# Altium PCB DIOT_Template.PcbDoc (part 2 of 3) (continued)
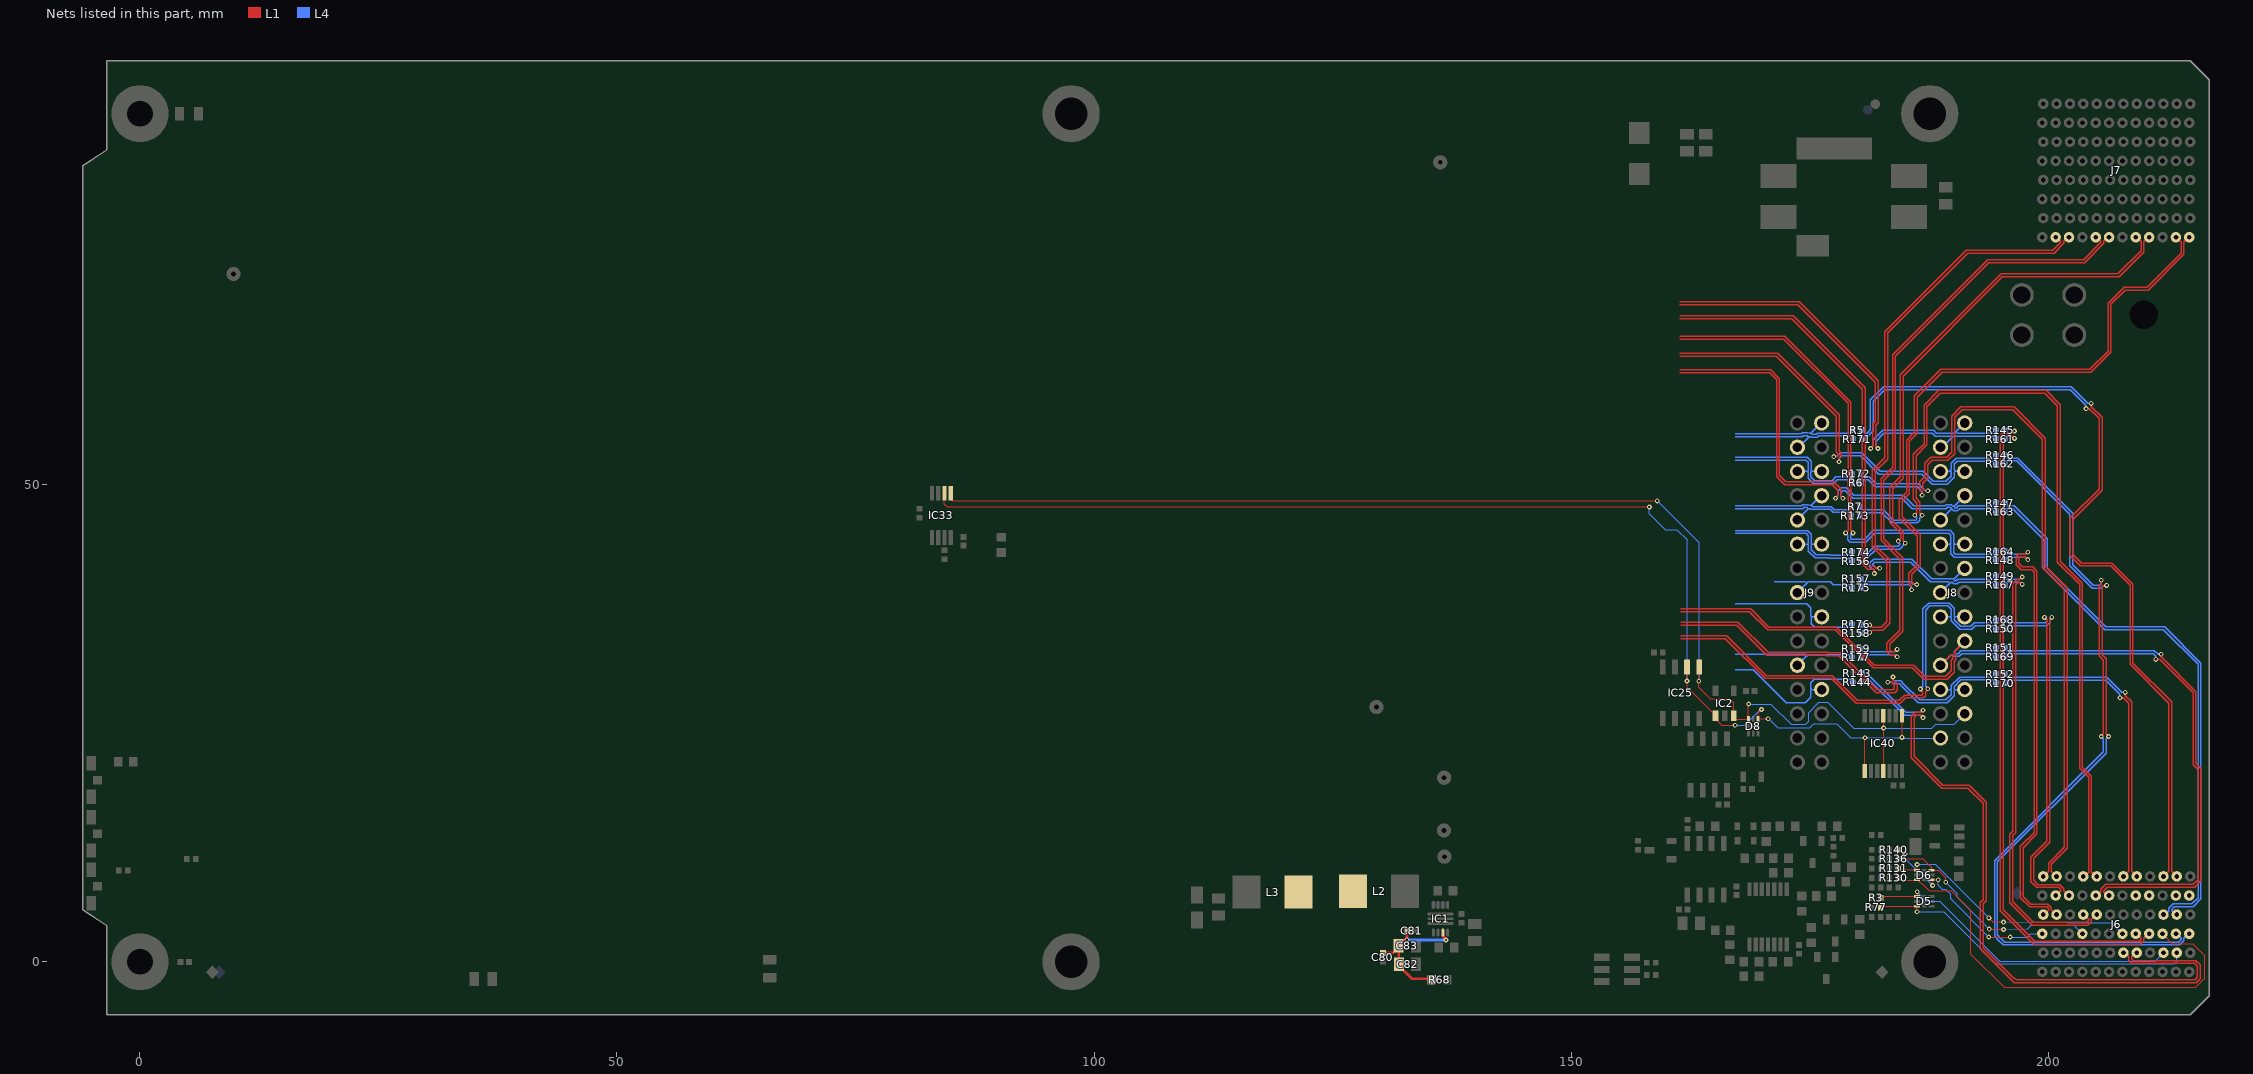
[diagram p4: the nets of this part, all layers, seen from the top]
## Part data (continued)
TR1: library part XFMR_MINI-CIRCUITS_TCM2-1T, "50 Ohms 3 to 300MHz RF Transformer", Manufacturer=MINI-CIRCUITS, Manufacturer Part Number=TCM2-1T, Power=0.25W, Author="CERN DEM HF", Component Type=Standard, ComponentHeight=4.06mm, CreateDate=30.05.2023, HelpURL=\\cern.ch\dfs\Applications\Altium\Datasheets\XFMR_MINI-CIRCUITS_TCM2-1T.pdf, LatestRevisionDate=30.05.2023, Mounted=Yes, Part Description="50 Ohms 3 to 300MHz RF Transformer", Part Number=XFMR_MINI-CIRCUITS_TCM2-1T, Pin Count=6, Sense=No, SMD=Yes, Socket=No, Status=None

## Via types
v1: diameter 0.5, hole 0.25, L1 to L4, tented both sides, 307 vias
v2: diameter 1, hole 0.45, L1 to L4, tented both sides, 33 vias
v3: diameter 0.9, hole 0.45, L1 to L4, tented both sides, 5 vias

## Nets (pads, with @x,y where several pads share a name; then routed paths per layer and width w, separated by ;. In a path a pad name is that pad's centre, name@x,y a point inside that pad or via, vN(x,y) a via of type N, cw(c..) or ccw(c..) an arc to the next point about the centre after c; other vN are vias at no path point)
3V3: C80.2 C81.2 C82.2 C83.2 IC1.6 L2.2 L3.1 R68.2 | length 15.4
  L1 w0.3: C80.2@130.277,0.933 131.348,0.933 C83.2@131.942,1.527 ; C81.2@132.849,3.277 132.82,3.248 132.82,2.34 v1(132.791,2.311) 132.753,2.273 132.514,2.273 132.492,2.252 132.317,2.252 131.942,1.877 C83.2@131.942,1.702 ; R68.2@135.395,-1.778 133.317,-1.778 131.968,-0.429 C82.2@131.968,-0.254 131.942,-0.229 C83.2@131.942,1.527 ; IC1.6@136.572,3.063 136.572,2.672 136.899,2.344 v1(136.899,2.29) ; C83.2@131.942,1.527 C83.2@131.942,1.702 ; C83.2@131.942,1.527 C83.2@131.942,1.702
  L4 w0.3: v1(132.791,2.311) 132.802,2.301 136.889,2.301 v1(136.899,2.29)
BGA0: D6.3 J6.C3 R130.2 | length 47.9
  L1 w0.125: R130.2@184.27,8.8 184.27,8.78 184.497,8.553 D6.3@186.248,8.553 ; D6.3@186.271,8.599 186.436,8.599 186.524,8.511 186.524,8.383 186.802,8.105 186.879,8.105 187.552,7.431 189.869,7.431 191.9,5.4 191.9,0.8 195.385,-2.685 215.501,-2.685 216.438,-1.749 216.438,0.656 215.189,1.905 213.046,1.905 J6.C3@212,2.95
BGA1: D6.1 J6.F3 R131.2 | length 27.2
  L1 w0.125: R131.2@184.27,9.8 184.439,9.631 D6.1@186.274,9.631 ; D6.1@186.274,9.601 v1(186.274,10.196) ; v1(193.8,4.6) 194.217,4.183 195.319,4.183 v1(195.337,4.166)
  L4 w0.125: v1(186.274,10.196) 186.298,10.22 188.18,10.22 v1(193.8,4.6) ; v1(195.337,4.166) 202,4.098 206.652,4.098 J6.F3@207.8,2.95
BGA2: D6.6 J6.I3 R136.2 | length 23.7
  L1 w0.125: R136.2@184.15,10.8 186.865,10.8 187.791,9.874 D6.6@187.791,9.599 188.503,9.599 189.278,8.823 189.278,8.348 v1(189.282,8.344) ; v1(193.828,3.429) 193.84,3.416 195.311,3.416 v1(195.337,3.391)
  L4 w0.125: v1(189.282,8.344) 190.5,7.126 190.5,6.757 v1(193.828,3.429) ; v1(195.337,3.391) 197.785,3.447 197.835,3.448 197.872,3.485 198.173,3.8 cw(c198.262,3.712) 198.174,3.801 198.21,3.837 202.714,3.837 J6.I3@203.6,2.95
BGA3: D6.4 J6.L3 R140.2 | length 20.9
  L1 w0.125: R140.2@184.275,11.742 184.396,11.621 184.679,11.621 v1(185,11.3) ; v1(187.901,8.004) 187.881,8.023 187.881,8.511 187.794,8.599 D6.4@187.791,8.599 187.793,8.6 v1(188.5,8.6) ; v1(193.797,2.599) 196.039,2.6 v1(196.041,2.603)
  L4 w0.125: v1(185,11.3) 185,10.848 186.092,9.757 186.114,9.757 187.867,8.004 v1(187.901,8.004) ; v1(188.5,8.6) 188.5,8 188.914,7.586 189.27,7.586 189.784,7.072 189.784,6.612 v1(193.797,2.599) ; v1(196.041,2.603) 196.044,2.6 197.8,2.6 198.15,2.95 J6.L3@199.4,2.95
BP_I2C.SCL: D5.3 J6.B2 R77.1 | length 35.2
  L1 w0.125: R77.1@182.243,5.928 R77.1@182.47,5.7 182.573,5.803 186.264,5.803 186.264,5.262 v1(186.28,5.246)
  L4 w0.125: v1(186.28,5.246) 189.054,5.246 194.495,-0.195 197.1,-0.195 213.233,-0.195 213.486,0.058 213.486,0.936 J6.B2@213.5,0.95
BP_I2C.SDA: D5.1 J6.C2 R3.1 | length 33.5
  L1 w0.125: R3.1@182.47,6.7 182.651,6.881 186.245,6.881 186.282,6.919 v1(186.282,7.337)
  L4 w0.125: v1(186.282,7.337) 186.282,7.318 187.269,6.331 188.669,6.331 194.924,0.076 197.4,0.076 211.227,0.076 J6.C2@212.101,0.95
BP_IO.LVDS_N0: J6.E3 R161.1 | length 69
  L1 w0.14: v1(196.491,54.861) 196.466,54.861 196.229,55.099 195.954,55.099 195.915,55.137 195.382,55.137 195.3,55.055 195.3,5.463 198.633,2.13 209.541,2.13 209.751,2.34 209.751,2.456 209.257,2.95 J6.E3@209.2,2.95
  L4 w0.14: R161.1@195.47,54.8 195.47,54.82 195.75,55.1 196.155,55.1 196.393,54.861 v1(196.491,54.861)
BP_IO.LVDS_N1: J6.B3 R162.1 | length 82.3
  L1 w0.14: v1(206.136,39.457) 206.118,39.44 205.783,39.44 205.676,39.333 205.676,32.189 206.112,31.753 206.112,23.884 206.35,23.647 v1(206.35,23.622)
  L4 w0.14: 195.018,2.493 194.691,2.819 194.691,10.467 206.112,21.888 206.112,23.36 206.35,23.597 v1(206.35,23.622) ; 195.018,2.492 195.02,2.491 195.441,2.07 213.681,2.07 213.951,2.34 213.951,2.456 213.457,2.95 J6.B3@213.401,2.95 ; R162.1@195.47,52.2 195.47,52.22 195.75,52.5 196.704,52.5 202.3,46.904 202.3,41.497 204.619,39.178 205.521,39.178 205.783,39.44 206.118,39.44 v1(206.136,39.457)
BP_IO.LVDS_N2: J6.C4 R163.1 | length 57.9
  L4 w0.14: R163.1@195.47,47.189 195.47,47.209 195.75,47.489 196.311,47.489 199.6,44.2 199.6,41.149 205.946,34.803 212.097,34.803 215.721,31.179 215.721,6.71 215.081,6.07 213.122,6.07 212.651,5.599 212.651,5.359 212.242,4.95 J6.C4@212.101,4.95
BP_IO.LVDS_N3: J6.L4 R164.1 | length 46.1
  L1 w0.14: v1(197.884,42.937) 197.86,42.937 197.622,42.699 196.902,42.699 196.645,42.442 196.645,41.631 197.188,41.088 198.288,41.088 198.543,40.833 198.543,13.547 197.1,12.104 197.1,6.718 198.061,5.757 199.854,5.757 200.051,5.56 200.051,5.444 199.557,4.95 J6.L4@199.5,4.95
  L4 w0.14: R164.1@195.47,43 195.47,42.98 195.75,42.7 197.068,42.7 197.622,42.699 197.86,42.937 v1(197.884,42.937)
BP_IO.LVDS_N4: J6.I4 R167.1 | length 46.1
  L1 w0.14: v1(197.3,39.557) 197.203,39.557 197.023,39.737 196.954,39.737 196.94,39.751 196.824,39.751 196.6,39.526 196.6,13.542 196.3,13.242 196.3,6.3 198.47,4.13 204.041,4.13 204.251,4.34 204.251,4.456 203.757,4.95 J6.I4@203.701,4.95
  L4 w0.14: R167.1@195.47,39.5 195.47,39.52 195.75,39.8 196.767,39.8 196.772,39.795 197.038,39.795 197.275,39.557 v1(197.3,39.557)
BP_IO.LVDS_N5: J6.K5 R168.1 | length 38
  L1 w0.14: v1(199.625,36.1) 199.625,36.075 199.863,35.838 199.863,12.631 198.2,10.969 198.2,8.412 198.814,7.799 201.112,7.799 201.351,7.56 201.351,7.444 200.857,6.95 J6.K5@200.8,6.95
  L4 w0.14: R168.1@195.47,35.84 195.47,35.82 195.77,35.52 199.695,35.52 199.863,35.687 199.863,35.838 199.625,36.075 v1(199.625,36.1)
BP_IO.LVDS_N6: J6.H5 R169.1 | length 53.1
  L1 w0.14: J6.H5@205.001,6.95 205.142,6.95 205.551,7.359 205.551,7.599 206.075,8.123 215.234,8.123 215.721,8.61 215.721,20.154 215.2,20.675 215.2,28.21 211.71,31.7 v1(211.3,31.7)
  L4 w0.14: R169.1@195.47,32 195.47,32.02 195.75,32.3 196.49,32.3 196.492,32.302 211.034,32.302 211.283,32.053 211.283,31.717 v1(211.3,31.7)
BP_IO.LVDS_N7: J6.F6 R170.1 | length 32.7
  L1 w0.14: v1(207.546,27.688) 207.563,27.671 207.899,27.671 208.451,27.119 208.451,18.508 208.451,9.5 J6.F6@207.9,8.95
  L4 w0.14: R170.1@195.47,29.194 195.47,29.214 195.77,29.514 206.056,29.514 207.528,28.041 207.528,27.705 v1(207.546,27.688)
BP_IO.LVDS_N8: J6.C6 R171.1 | length 86
  L1 w0.14: v1(203.988,57.988) 204.005,57.971 204.341,57.971 205.359,56.952 205.359,49.53 202.3,46.471 202.3,42.597 203.397,41.5 206.557,41.5 208.6,39.457 208.6,31.176 212.651,27.125 212.651,9.5 J6.C6@212.101,8.95
  L4 w0.14: R171.1@180.404,54.889 180.539,54.889 180.77,55.12 181.153,55.12 181.686,55.653 181.686,58.776 182.899,59.988 202.323,59.988 203.97,58.341 203.97,58.006 v1(203.988,57.988)
BP_IO.LVDS_N9: J6.L6 R172.1 | length 76.7
  L1 w0.14: v1(187.408,49.381) 187.389,49.4 187.056,49.4 186.877,49.58 186.877,50.177 187.4,50.7 187.4,52.116 187.854,52.57 189.494,52.57 190.2,53.276 190.2,57.061 191,57.861 196.315,57.861 199.395,54.781 199.395,41.381 201.7,39.076 201.7,12.005 200.051,10.356 200.051,9.5 J6.L6@199.5,8.95
  L4 w0.14: R172.1@180.37,51.14 180.37,51.12 180.67,50.82 181.28,50.82 182,50.1 186.4,50.1 187.078,49.422 187.367,49.422 v1(187.408,49.381)
BP_IO.LVDS_N10: J6.I6 R173.1 | length 85.5
  L1 w0.14: v1(186.8,46.8) 186.8,46.825 186.562,47.062 186.562,48.197 186.165,48.595 186.165,53.065 187.3,54.2 187.3,58.2 188.688,59.588 199.677,59.588 200.99,58.275 200.99,41.885 203.3,39.576 203.3,20.276 204.25,19.326 204.25,9.409 203.791,8.95 J6.I6@203.7,8.95
  L4 w0.14: R173.1@180.277,46.761 180.497,46.981 180.497,47.002 180.579,47.084 182.592,47.084 183.676,46 186.3,46 186.562,46.263 186.562,46.538 186.8,46.775 v1(186.8,46.8)
BP_IO.LVDS_N11: J7.E1 R174.1 | length 55.8
  L1 w0.14: v1(184.3,44.1) 184.3,44.123 184.539,44.362 184.539,44.934 183.407,46.065 183.407,49.732 184.5,50.824 184.5,61.524 195.076,72.1 207.327,72.1 209.751,74.524 209.751,75.263 209.751,75.503 209.304,75.95 J7.E1@209.2,75.95
  L4 w0.14: R174.1@180.366,42.723 180.567,42.723 180.639,42.651 180.927,42.651 181.844,43.568 184.309,43.568 184.463,43.722 184.463,43.84 184.3,44.003 v1(184.3,44.1)
BP_IO.LVDS_N12: J7.B1 R175.1 | length 67.1
  L1 w0.14: v1(185.7,39) 185.631,39.069 185.631,39.448 185.4,39.679 185.4,40.724 186.3,41.624 186.3,44.619 184.4,46.519 184.4,48.424 185.17,49.194 185.17,54.689 186,55.519 186,59.324 188.776,62.1 204.376,62.1 206.3,64.024 206.3,69.024 207.976,70.7 210.376,70.7 213.951,74.275 213.951,75.4 J7.B1@213.401,75.95
  L4 w0.14: R175.1@180.378,39.218 180.378,39.238 180.666,39.525 185.511,39.525 185.683,39.353 185.683,39.017 v1(185.7,39)
BP_IO.LVDS_N13: J7.K1 R176.1 | length 58.2
  L1 w0.14: v1(181.32,35.303) 181.344,35.303 181.582,35.066 182.527,35.066 183.088,35.627 183.088,42.012 181.6,43.5 181.6,51.524 182.9,52.824 182.9,66.052 191.443,74.595 200.521,74.595 201.351,75.425 201.351,75.541 200.942,75.95 J7.K1@200.8,75.95
  L4 w0.14: R176.1@180.378,35.565 180.378,35.341 180.654,35.066 181.058,35.066 181.295,35.303 v1(181.32,35.303)
BP_IO.LVDS_N14: J7.H1 R177.1 | length 65.8
  L1 w0.14: v1(184.179,31.975) 184.143,31.975 183.917,32.2 183.469,32.2 183.1,32.569 183.1,33.397 184.483,34.78 184.483,42.217 182.5,44.2 182.5,50.624 183.7,51.824 183.7,63.624 193.676,73.6 203.726,73.6 205.551,75.425 205.551,75.541 205.142,75.95 J7.H1@205.001,75.95
  L4 w0.14: R177.1@180.404,31.954 180.662,32.212 183.917,32.212 184.155,31.975 v1(184.179,31.975)
BP_IO.LVDS_N15: J6.F2 R144.2 | length 72.2
  L1 w0.14: v1(186.9,25.6) 186.875,25.6 186.638,25.837 186.212,25.837 185.959,25.585 185.959,21.541 188.985,18.515 191.727,18.515 193.5,16.742 193.5,6.4 193.202,6.102 193.202,1.489 196.293,-1.602 196.743,-1.87 215.416,-1.87 215.646,-1.64 215.646,-0.446 215.373,-0.173 208.8,-0.173 208.45,0.177 208.45,0.541 208.042,0.949 J6.F2@207.9,0.95
  L4 w0.14: R144.2@180.429,29.108 180.429,29.272 180.69,29.533 180.69,29.553 180.772,29.635 181.165,29.635 184.963,25.837 186.638,25.837 186.875,25.6 v1(186.9,25.6)
BP_IO.LVDS_P0: J6.D3 R145.1 | length 70.5
  L1 w0.14: v1(196.491,55.636) 196.466,55.636 196.229,55.399 196.078,55.399 196.039,55.437 195.258,55.437 195,55.18 195,5.339 198.509,1.83 209.665,1.83 210.051,2.216 210.051,2.456 210.545,2.95 J6.D3@210.6,2.95
  L4 w0.14: R145.1@195.47,55.7 195.47,55.68 195.75,55.4 196.157,55.4 196.393,55.636 v1(196.491,55.636)
BP_IO.LVDS_P1: J6.A3 R146.1 | length 83.3
  L1 w0.14: v1(205.575,23.622) 205.575,23.647 205.812,23.884 205.812,31.629 205.376,32.065 205.376,39.457 205.57,39.652 205.57,39.988 v1(205.588,40.005)
  L4 w0.14: 194.806,2.281 194.391,2.695 194.391,10.591 205.812,22.012 205.812,23.36 205.575,23.597 v1(205.575,23.622) ; 194.806,2.28 195.228,1.858 195.316,1.77 213.805,1.77 214.251,2.216 214.251,2.456 214.745,2.95 J6.A3@214.801,2.95 ; R146.1@195.47,53.1 195.47,53.08 195.75,52.8 196.829,52.8 202.6,47.029 202.6,41.621 204.743,39.478 205.397,39.478 205.57,39.652 205.57,39.988 v1(205.588,40.005)
BP_IO.LVDS_P2: J6.B4 R147.1 | length 58.4
  L4 w0.14: R147.1@195.47,48.089 195.47,48.069 195.75,47.789 196.435,47.789 199.9,44.324 199.9,41.273 206.07,35.103 212.221,35.103 216.021,31.303 216.021,6.586 215.205,5.77 213.246,5.77 212.951,5.475 212.951,5.359 213.36,4.95 J6.B4@213.5,4.95
BP_IO.LVDS_P3: J6.K4 R148.1 | length 45.7
  L1 w0.14: v1(197.884,42.162) 197.86,42.162 197.622,42.399 197.027,42.399 196.945,42.317 196.945,41.755 197.312,41.388 198.412,41.388 198.843,40.957 198.843,13.423 197.4,11.98 197.4,6.843 198.185,6.057 199.978,6.057 200.351,5.684 200.351,5.444 200.845,4.95 J6.K4@200.9,4.95
  L4 w0.14: R148.1@195.47,42.1 195.47,42.12 195.75,42.4 196.944,42.4 197.622,42.399 197.86,42.162 v1(197.884,42.162)
BP_IO.LVDS_P4: J6.H4 R149.1 | length 47.6
  L1 w0.14: v1(197.31,40.332) 197.269,40.332 196.987,40.051 196.7,40.051 196.3,39.65 196.3,13.666 196,13.366 196,6.176 198.346,3.83 204.165,3.83 204.551,4.216 204.551,4.456 205.045,4.95 J6.H4@205.1,4.95
  L4 w0.14: R149.1@195.47,40.4 195.47,40.38 195.75,40.1 196.891,40.1 196.896,40.095 197.048,40.095 197.285,40.332 v1(197.31,40.332)
BP_IO.LVDS_P5: J6.J5 R150.1 | length 38.5
  L1 w0.14: v1(200.4,36.1) 200.4,36.075 200.163,35.838 200.163,12.507 198.5,10.845 198.5,8.537 198.938,8.099 201.236,8.099 201.651,7.684 201.651,7.444 202.145,6.95 J6.J5@202.2,6.95
  L4 w0.14: R150.1@195.47,34.9 195.47,34.92 195.77,35.22 199.82,35.22 200.163,35.563 200.163,35.838 200.4,36.075 v1(200.4,36.1)
BP_IO.LVDS_P6: J6.G5 R151.1 | length 53.6
  L1 w0.14: J6.G5@206.401,6.95 206.26,6.95 205.851,7.359 205.851,7.475 206.199,7.823 215.358,7.823 216.021,8.486 216.021,20.278 215.5,20.799 215.5,28.334 211.902,31.932 211.902,32.194 v1(211.848,32.248)
  L4 w0.14: R151.1@195.47,32.9 195.47,32.88 195.75,32.6 196.366,32.6 196.368,32.602 211.158,32.602 211.495,32.265 211.831,32.265 v1(211.848,32.248)
BP_IO.LVDS_P7: J6.E6 R152.1 | length 33.2
  L1 w0.14: v1(208.094,28.236) 208.111,28.219 208.111,27.883 208.751,27.243 208.751,18.384 208.751,9.5 J6.E6@209.3,8.95
  L4 w0.14: R152.1@195.47,30.134 195.47,30.114 195.77,29.814 206.18,29.814 207.74,28.253 208.076,28.253 v1(208.094,28.236)
BP_IO.LVDS_P8: J6.B6 R5.1 | length 86.5
  L1 w0.14: v1(204.536,58.536) 204.553,58.519 204.553,58.183 205.659,57.077 205.659,49.406 202.6,46.347 202.6,42.721 203.521,41.8 206.681,41.8 208.9,39.581 208.9,31.3 212.951,27.249 212.951,9.5 J6.B6@213.5,8.95
  L4 w0.14: R5.1@180.47,55.74 180.47,55.72 180.77,55.42 181.029,55.42 181.386,55.778 181.386,58.9 182.775,60.288 202.447,60.288 204.182,58.554 204.518,58.554 v1(204.536,58.536)
BP_IO.LVDS_P9: J6.K6 R6.1 | length 77.6
  L1 w0.14: v1(186.8,48.9) 186.781,48.919 186.781,49.251 186.577,49.456 186.577,50.301 187.1,50.824 187.1,52.24 187.73,52.87 189.37,52.87 189.9,53.4 189.9,57.185 190.876,58.161 196.439,58.161 199.695,54.905 199.695,41.505 202,39.2 202,11.881 200.351,10.232 200.351,9.5 J6.K6@200.9,8.95
  L4 w0.14: R6.1@180.37,50.2 180.37,50.22 180.67,50.52 181.156,50.52 181.876,49.8 186.276,49.8 186.803,49.273 186.803,48.903 v1(186.8,48.9)
BP_IO.LVDS_P10: J6.H6 R7.1 | length 86
  L1 w0.14: v1(186.025,46.8) 186.025,46.825 186.263,47.062 186.263,48.073 185.865,48.471 185.865,53.189 187,54.324 187,58.324 188.564,59.888 199.801,59.888 201.29,58.399 201.29,42.01 203.6,39.7 203.6,20.4 204.55,19.45 204.55,9.409 205.009,8.95 J6.H6@205.1,8.95
  L4 w0.14: R7.1@180.264,47.701 180.264,47.681 180.561,47.384 182.716,47.384 182.892,47.208 183.8,46.3 186.176,46.3 186.263,46.387 186.263,46.538 186.025,46.775 v1(186.025,46.8)
BP_IO.LVDS_P11: J7.D1 R156.1 | length 56.5
  L1 w0.14: v1(185.045,43.885) 185.045,43.942 184.839,44.147 184.839,45.058 183.707,46.189 183.707,49.607 184.8,50.7 184.8,61.4 195.2,71.8 207.452,71.8 210.051,74.399 210.051,75.387 210.051,75.503 210.498,75.95 J7.D1@210.6,75.95
  L4 w0.14: R156.1@180.366,41.988 180.366,42.016 180.59,42.24 180.618,42.24 180.729,42.351 181.051,42.351 181.968,43.268 184.433,43.268 v1@185.045,43.88
BP_IO.LVDS_P12: J7.A1 R157.1 | length 67.1
  L1 w0.14: v1(186.248,39.548) 186.179,39.617 185.914,39.617 185.7,39.831 185.7,40.6 186.6,41.5 186.6,44.743 184.7,46.643 184.7,48.3 185.47,49.07 185.47,54.565 186.3,55.395 186.3,59.2 188.9,61.8 204.5,61.8 206.6,63.9 206.6,68.9 208.1,70.4 210.5,70.4 214.251,74.151 214.251,75.4 J7.A1@214.801,75.95
  L4 w0.14: R157.1@180.378,40.132 180.378,40.112 180.666,39.825 185.635,39.825 185.895,39.565 186.231,39.565 v1(186.248,39.548)
BP_IO.LVDS_P13: J7.J1 R158.1 | length 58.4
  L1 w0.14: v1(181.32,34.528) 181.344,34.528 181.582,34.766 182.651,34.766 183.388,35.503 183.388,42.136 181.9,43.624 181.9,51.4 183.2,52.7 183.2,65.928 191.567,74.295 200.645,74.295 201.651,75.301 201.651,75.541 202.06,75.95 J7.J1@202.2,75.95
  L4 w0.14: R158.1@180.378,34.671 180.583,34.671 180.678,34.766 181.058,34.766 181.295,34.528 v1(181.32,34.528)
BP_IO.LVDS_P14: J7.G1 R159.1 | length 65.2
  L1 w0.14: v1(184.179,32.75) 184.094,32.75 184.094,32.688 183.906,32.5 183.593,32.5 183.4,32.693 183.4,33.273 184.783,34.656 184.783,42.341 182.8,44.324 182.8,50.5 184,51.7 184,63.5 193.8,73.3 203.85,73.3 205.851,75.301 205.851,75.541 206.26,75.95 J7.G1@206.401,75.95
  L4 w0.14: R159.1@180.5,32.664 180.652,32.512 183.917,32.512 184.155,32.75 v1(184.179,32.75)
BP_IO.LVDS_P15: J6.E2 R143.2 | length 73.5
  L1 w0.14: v1(186.9,26.375) 186.875,26.375 186.638,26.137 186.088,26.137 185.659,25.709 185.659,21.416 188.861,18.215 191.603,18.215 193.2,16.618 193.2,6.524 192.902,6.227 192.902,1.365 192.99,1.277 196.082,-1.815 ; 196.083,-1.816 196.437,-2.17 215.541,-2.17 215.946,-1.764 215.946,-0.322 215.497,0.127 208.925,0.127 208.75,0.302 208.75,0.541 209.159,0.95 J6.E2@209.3,0.95
  L4 w0.14: R143.2@180.417,30.074 180.629,30.074 180.677,30.025 180.677,30.017 180.759,29.935 181.289,29.935 185.087,26.137 186.638,26.137 186.875,26.375 v1(186.9,26.375)
BP_MGT_Rx_N: J6.E5
BP_MGT_Rx_P: J6.D5
BP_MGT_Tx_N: J6.B5
BP_MGT_Tx_P: J6.A5
EEM0_I2C.SCL: D8.1 IC2.1 IC25.6 IC33.2 IC40.1 IC40.8 J8.27 | length 135.5
  L1 w0.125: IC33.2@84.324,48.983 84.324,47.976 84.624,47.676 v1(158.217,47.676) ; IC25.6@162.163,30.917 162.163,29.44 v1(162.161,29.438) 162.161,28.789 164.736,26.214 164.913,26.214 165.387,25.739 165.387,25.194 165.78,24.802 167.198,24.802 v1(167.2,24.8) ; D8.1@169.6,25.46 169.6,26.109 169.937,26.446 v1(169.961,26.446) ; D8.1@169.605,25.465 170.641,25.465 v1(170.658,25.482) ; IC40.8@180.792,19.985 180.812,20.005 v1(180.811,23.497) v1(180.811,23.497) ; IC40.1@184.692,25.785 184.698,25.78 v1(184.698,23.52)
  L4 w0.125: v1(158.217,47.676) 158.217,46.983 159.9,45.3 161.1,45.3 162.161,44.239 v1(162.161,29.438) ; v1(167.2,24.8) 168.2,24.8 169.719,26.319 169.732,26.319 169.859,26.446 v1(169.961,26.446) ; v1(170.658,25.482) 170.71,25.482 171.668,24.524 175.024,24.524 175.402,24.902 175.439,24.939 175.542,24.939 176.269,24.938 ccw(c176.27,26) 176.271,24.938 177.862,24.938 179.31,23.49 180.804,23.49 v1(180.811,23.497) 184.675,23.497 v1(184.698,23.52) 184.759,23.46 J8.27@188.73,23.46
EEM0_I2C.SDA: D8.3 IC2.3 IC25.5 IC33.1 IC40.4 IC40.11 J8.26 | length 139.1
  L1 w0.125: IC33.1@84.97,48.987 84.97,48.473 85.132,48.311 v1(159.03,48.311) ; IC25.5@163.433,30.917 163.433,29.433 v1(163.4,29.4) 163.4,28.8 164.6,27.6 166.6,27.6 167.05,27.15 167.05,25.655 167.287,25.417 D8.3@168.5,25.417 ; D8.3@168.6,25.46 168.587,25.473 168.587,26.98 v1(168.63,27.023) ; IC40.11@182.742,19.985 182.768,20.011 v1(182.768,24.511) 182.768,25.76 IC40.4@182.742,25.785
  L4 w0.125: v1(159.03,48.311) 163.416,43.924 163.416,29.416 v1(163.4,29.4) ; v1(168.63,27.023) 168.643,27.01 170.951,27.01 173.061,24.9 174.6,24.9 174.9,25.2 174.9,26.133 175.967,27.2 176.9,27.2 179.614,24.486 187.8,24.486 188.214,24.9 190.17,24.9 J8.26@191.27,26
EEM_IO.LVDS_N0: J8.3 R161.2 | length 47.3
  L1 w0.14: 161.4,69.196 173.904,69.196 182.2,60.9 182.2,56.5 181.937,56.237 181.937,54.062 182.175,53.825 v1(182.175,53.8)
  L4 w0.14: v1(182.175,53.8) 182.175,53.825 181.937,54.062 181.937,54.537 182.795,55.395 187.878,55.395 188.163,55.11 189.868,55.11 189.971,55.007 ; J8.3@188.73,53.94 188.904,53.94 189.971,55.007 ; R161.2@194.53,54.9 194.45,54.9 194.258,55.092 193.392,55.092 190.056,55.092 189.971,55.007
EEM_IO.LVDS_N1: J8.6 R162.2 | length 46.6
  L1 w0.14: 161.4,63.785 171.662,63.785 178.117,57.33 178.117,53.512 178.306,53.323 178.306,52.959 178.112,52.764 178.112,52.428 v1(178.094,52.411)
  L4 w0.14: v1(178.094,52.411) 178.112,52.428 178.112,52.764 178.397,53.05 180.35,53.05 182.279,51.121 186.779,51.121 187.848,50.052 189.412,50.052 190.15,50.79 190.15,51.318 190.232,51.4 J8.6@191.27,51.4 191.262,51.408 190.342,51.408 190.15,51.6 190.15,52.15 190.493,52.493 194.257,52.493 194.53,52.22 R162.2@194.53,52.2
EEM_IO.LVDS_N2: J8.9 R163.2 | length 48.9
  L1 w0.14: 161.4,62.048 170.943,62.048 171.852,61.139 171.852,50.978 172.53,50.3 177.524,50.3 178.263,49.562 178.263,48.862 178.5,48.625 v1(178.5,48.6)
  L4 w0.14: v1(178.5,48.6) 178.5,48.625 178.263,48.862 178.263,49.192 178.461,49.39 178.733,49.39 179.523,48.6 184.676,48.6 185.786,47.49 189.306,47.49 189.44,47.624 189.754,47.624 189.836,47.542 189.836,47.426 ; J8.9@188.73,46.32 189.836,47.426 ; R163.2@194.53,47.3 194.439,47.3 194.239,47.5 190.73,47.5 190.486,47.256 190.122,47.256 189.952,47.426 189.836,47.426
EEM_IO.LVDS_N3: J8.12 R164.2 | length 54.5
  L1 w0.14: 161.4,65.581 172.406,65.581 179.339,58.648 179.339,45.22 179.553,45.006 v1(179.553,44.958)
  L4 w0.14: v1(179.553,44.958) 179.553,44.933 179.315,44.696 179.315,44.37 179.397,44.288 180.764,44.288 181.687,45.212 189.727,45.212 190.1,44.838 190.1,43.915 190.225,43.79 ; J8.12@191.27,43.78 190.182,43.78 190.1,43.698 190.1,42.9 190.3,42.7 194.172,42.7 194.232,42.76 194.31,42.76 194.53,42.98 R164.2@194.53,43 R164.2@194.53,43.08
EEM_IO.LVDS_N4: J8.15 R167.2 | length 59.3
  L1 w0.14: 161.4,67.7 173.284,67.7 180.818,60.166 180.818,41.864 181.222,41.46 181.8,41.46 181.995,41.265 182.331,41.265 v1(182.348,41.248)
  L4 w0.14: v1(182.348,41.248) 182.331,41.265 181.995,41.265 181.8,41.46 181.719,41.46 181.637,41.542 181.637,41.689 181.84,41.892 185.608,41.892 187.666,39.834 189.584,39.834 189.666,39.752 189.666,39.636 ; J8.15@188.73,38.7 189.666,39.636 ; R167.2@194.53,39.5 194.53,39.52 194.25,39.8 193.781,39.8 190.65,39.8 190.486,39.636 190.122,39.636 189.952,39.806 189.836,39.806 189.666,39.636
EEM_IO.LVDS_N5: J8.18 R168.2 | length 48.7
  L1 w0.14: 161.481,34.188 166.312,34.188 170.49,30.01 177.39,30.01 180,27.4 184.4,27.4 184.967,27.967 186.808,27.967 186.863,28.022 186.863,28.26 186.62,28.502 v1(186.62,28.6)
  L4 w0.14: v1(186.62,28.6) 186.62,28.619 186.863,28.862 186.863,36.987 187.476,37.6 189.624,37.6 190.15,37.074 190.15,36.242 190.232,36.16 ; J8.18@191.27,36.16 190.232,36.16 ; R168.2@194.53,35.84 194.53,35.82 194.23,35.52 192.256,35.52 191.886,35.15 190.852,35.15 190.15,35.852 190.15,36.078 190.232,36.16
EEM_IO.LVDS_N6: J8.21 R169.2 | length 41.6
  L1 w0.14: 161.481,37 168.824,37 170.734,35.09 177.81,35.09 181.79,31.11 185.914,31.11 187.098,29.927 189.296,29.927 189.859,30.49 189.859,31.607 190.034,31.781 190.034,32.104 189.952,32.186 189.836,32.186 J8.21@188.73,31.08
  L4 w0.14: J8.21@188.73,31.08 189.836,32.186 189.952,32.186 190.122,32.016 190.693,32.016 190.977,32.3 194.25,32.3 194.53,32.02 R169.2@194.53,32
EEM_IO.LVDS_N7: J8.24 R170.2 | length 41.7
  L1 w0.14: 161.481,35.6 167.5,35.6 170.65,32.45 176.838,32.45 176.888,32.4 178.2,32.4 182.1,28.5 183.8,28.5 183.898,28.598 183.898,28.999 183.577,29.32 183.206,29.32 v1(183.2,29.314)
  L4 w0.14: v1(183.2,29.314) 183.219,29.295 183.602,29.295 183.754,29.143 184.432,29.143 184.719,28.856 186.422,27.154 189.427,27.154 190.15,27.877 190.15,28.458 190.232,28.54 ; J8.24@191.27,28.54 190.232,28.54 ; R170.2@194.53,29.194 194.53,29.232 194.212,29.55 190.852,29.55 190.15,28.848 190.15,28.622 190.232,28.54
EEM_IO.LVDS_N8: J9.3 R171.2 | length 14.2
  L4 w0.14: 167.2,55.056 174.244,55.056 174.353,55.165 174.74,55.165 174.845,55.06 174.845,54.936 ; J9.3@173.73,53.94 173.849,53.94 174.845,54.936 ; R171.2@179.464,54.889 179.461,54.889 179.221,55.129 175.946,55.129 175.817,55 175.156,55 175.112,55.044 174.953,55.044 174.845,54.936
EEM_IO.LVDS_N9: J9.6 R172.2 | length 15.6
  L4 w0.14: 167.2,52.87 174.744,52.87 175.158,52.456 175.158,51.474 175.232,51.4 ; J9.6@176.27,51.4 175.232,51.4 ; R172.2@179.43,51.14 179.43,51.12 179.21,50.9 179.194,50.9 179.117,50.822 177.77,50.822 177.367,50.419 175.557,50.419 175.144,50.831 175.144,51.312 175.232,51.4
EEM_IO.LVDS_N10: J9.9 R173.2 | length 14.2
  L4 w0.14: 167.2,47.49 174.298,47.49 174.431,47.624 174.752,47.624 174.836,47.54 174.836,47.464 ; J9.9@173.73,46.32 174.836,47.426 174.836,47.464 ; R173.2@179.337,46.761 179.337,46.781 179.016,47.102 177.474,47.102 177.157,47.419 175.075,47.419 175.03,47.464 174.836,47.464
EEM_IO.LVDS_N11: J9.12 R174.2 | length 15.4
  L4 w0.14: 167.2,45.2 174.79,45.2 175.187,44.803 175.187,43.855 175.262,43.78 ; J9.12@176.27,43.78 175.262,43.78 ; R174.2@179.426,42.723 179.233,42.723 179.13,42.62 177.18,42.62 177.154,42.646 175.71,42.646 175.18,43.176 175.18,43.698 175.262,43.78
EEM_IO.LVDS_N12: J9.15 R175.2 | length 11.8
  L4 w0.14: 171.311,39.847 174.567,39.847 174.649,39.765 174.649,39.649 173.876,38.876 ccw(c173.975,38.777) J9.15@173.867,38.866 ; J9.15@173.729,38.729 173.435,38.729 173.569,38.863 J9.15@173.863,38.863 ; J9.15@173.73,38.7 174.879,39.849 177.158,39.849 177.482,39.525 179.151,39.525 179.438,39.238 R175.2@179.438,39.218
EEM_IO.LVDS_N13: J9.18 R176.2 | length 15.4
  L4 w0.14: 167.2,37.548 174.7,37.548 175.15,37.098 175.15,36.266 175.283,36.133 ; J9.18@176.27,36.16 175.31,36.16 175.283,36.133 ; R176.2@179.438,35.341 179.156,35.058 175.566,35.058 175.166,35.458 175.166,36.016 175.283,36.133
EEM_IO.LVDS_N14: J9.21 R177.2 | length 14
  L4 w0.14: 167.2,32.25 174.587,32.25 174.669,32.168 174.669,32.019 J9.21@173.73,31.08 ; 174.703,32.053 174.829,32.179 179.098,32.179 179.137,32.14 179.21,32.14 179.464,31.886 R177.2@179.464,31.77
EEM_IO.LVDS_N15: J9.24 R144.1 | length 16.9
  L4 w0.14: 167.2,30.6 169.113,30.6 172.576,27.137 174.531,27.137 175.15,27.757 175.15,28.458 175.232,28.54 ; J9.24@176.27,28.54 175.232,28.54 ; R144.1@179.489,29.261 179.489,29.361 179.25,29.6 175.516,29.6 175.15,29.234 175.15,28.622 175.232,28.54
EEM_IO.LVDS_P0: J8.2 R145.2 | length 47.1
  L1 w0.14: 161.4,68.896 173.78,68.896 181.9,60.776 181.9,56.624 181.638,56.362 181.638,54.062 181.4,53.825 v1(181.4,53.8)
  L4 w0.14: v1(181.4,53.8) 181.4,53.825 181.638,54.062 181.638,54.662 182.671,55.695 188.002,55.695 188.287,55.41 190.2,55.41 190.387,55.596 ; J8.2@191.27,56.48 190.387,55.596 ; R145.2@194.53,55.7 194.53,55.68 194.31,55.46 194.21,55.46 194.142,55.392 190.469,55.392 190.387,55.474 190.387,55.596
EEM_IO.LVDS_P1: J8.5 R146.2 | length 46.1
  L1 w0.14: 161.4,63.485 171.538,63.485 177.817,57.206 177.817,53.388 178.006,53.199 178.006,53.083 177.899,52.976 177.564,52.976 v1(177.546,52.959)
  L4 w0.14: v1(177.546,52.959) 177.564,52.976 177.899,52.976 178.273,53.35 180.474,53.35 182.403,51.421 186.903,51.421 187.973,50.352 189.287,50.352 189.85,50.914 189.85,51.318 189.768,51.4 J8.5@188.73,51.4 188.738,51.408 189.658,51.408 189.85,51.6 189.85,52.274 190.369,52.793 194.243,52.793 194.53,53.08 R146.2@194.53,53.1
EEM_IO.LVDS_P2: J8.8 R147.2 | length 48.9
  L1 w0.14: 161.4,61.748 170.819,61.748 171.552,61.015 171.552,50.854 172.405,50 177.4,50 177.963,49.437 177.963,48.889 ; v1(177.725,48.6) 177.725,48.625 177.963,48.862
  L4 w0.14: v1(177.725,48.6) 177.725,48.625 177.963,48.862 177.963,49.316 178.337,49.69 178.857,49.69 179.647,48.9 184.8,48.9 185.91,47.79 189.182,47.79 189.316,47.924 189.878,47.924 190.048,47.754 190.164,47.754 ; J8.8@191.27,48.86 190.164,47.754 ; R147.2@194.53,48.08 194.53,48.069 194.261,47.8 190.606,47.8 190.362,47.556 190.246,47.556 190.164,47.638 190.164,47.754
EEM_IO.LVDS_P3: J8.11 R148.2 | length 54.2
  L1 w0.14: 161.4,65.281 172.282,65.281 179.039,58.524 179.039,45.22 v1(178.778,44.958)
  L4 w0.14: v1(178.778,44.958) 178.778,44.933 179.015,44.696 179.015,44.246 179.273,43.988 180.888,43.988 181.812,44.912 189.602,44.912 189.8,44.714 189.8,43.884 189.696,43.78 ; J8.11@188.73,43.78 189.696,43.78 ; R148.2@194.53,42.2 194.45,42.2 194.25,42.4 190.176,42.4 189.8,42.776 189.8,43.676 189.696,43.78
EEM_IO.LVDS_P4: J8.14 R149.2 | length 59.8
  L1 w0.14: 161.4,67.4 173.16,67.4 180.518,60.042 180.518,41.74 181.098,41.16 181.676,41.16 181.783,41.053 181.783,40.717 v1(181.8,40.7)
  L4 w0.14: v1(181.8,40.7) 181.783,40.717 181.783,41.053 181.676,41.16 181.595,41.16 181.337,41.418 181.337,41.813 181.716,42.192 185.732,42.192 187.79,40.134 190.164,40.134 ; J8.14@191.27,41.24 190.164,40.134 ; R149.2@194.53,40.4 194.53,40.38 194.25,40.1 193.905,40.1 190.526,40.1 190.362,39.936 190.246,39.936 190.164,40.018 190.164,40.134
EEM_IO.LVDS_P5: J8.17 R150.2 | length 48.7
  L1 w0.14: 161.481,33.888 166.188,33.888 170.366,29.71 177.266,29.71 179.876,27.1 184.524,27.1 185.092,27.667 186.933,27.667 187.162,27.897 187.163,28.301 187.394,28.533 v1(187.394,28.63)
  L4 w0.14: v1(187.394,28.63) 187.394,28.661 187.163,28.892 187.163,36.863 187.6,37.3 189.5,37.3 189.85,36.95 189.85,36.242 189.768,36.16 ; J8.17@188.73,36.16 189.768,36.16 ; R150.2@194.53,34.9 194.53,34.92 194.23,35.22 192.381,35.22 192.011,34.85 190.727,34.85 189.85,35.727 189.85,36.078 189.768,36.16
EEM_IO.LVDS_P6: J8.20 R151.2 | length 42.1
  L1 w0.14: 161.481,36.7 168.7,36.7 170.61,34.79 177.686,34.79 181.666,30.81 185.79,30.81 186.973,29.627 189.42,29.627 190.159,30.365 190.159,31.482 190.334,31.657 190.334,32.228 190.164,32.398 190.164,32.514 J8.20@191.27,33.62
  L4 w0.14: J8.20@191.27,33.62 190.164,32.514 190.164,32.398 190.246,32.316 190.569,32.316 190.853,32.6 194.25,32.6 194.53,32.88 R151.2@194.53,32.9
EEM_IO.LVDS_P7: J8.23 R152.2 | length 42.1
  L1 w0.14: 161.481,35.3 167.376,35.3 170.526,32.15 176.713,32.15 176.763,32.1 178.076,32.1 181.976,28.2 183.924,28.2 184.198,28.474 184.198,29.123 183.796,29.525 183.796,29.814 v1(183.755,29.855)
  L4 w0.14: v1(183.755,29.855) 183.796,29.814 183.796,29.525 183.878,29.443 184.557,29.443 184.9,29.1 186.546,27.454 189.302,27.454 189.85,28.002 189.85,28.458 189.768,28.54 ; J8.23@188.73,28.54 189.768,28.54 ; R152.2@194.53,30.134 194.53,30.132 194.248,29.85 190.727,29.85 189.85,28.973 189.85,28.622 189.768,28.54
EEM_IO.LVDS_P8: J9.2 R5.2 | length 14.3
  L4 w0.14: 167.2,55.356 174.119,55.356 174.229,55.465 174.864,55.465 174.947,55.382 175.198,55.382 ; J9.2@176.27,56.48 176.218,56.48 175.198,55.46 175.198,55.382 ; R5.2@179.464,55.809 179.464,55.654 179.31,55.5 179.299,55.5 179.228,55.429 175.822,55.429 175.693,55.3 175.28,55.3 175.198,55.382
EEM_IO.LVDS_P9: J9.5 R6.2 | length 15.6
  L4 w0.14: 167.2,52.57 174.62,52.57 174.844,52.346 174.844,51.476 174.768,51.4 ; J9.5@173.73,51.4 174.768,51.4 ; R6.2@179.438,50.188 179.438,50.212 179.21,50.44 179.194,50.44 179.112,50.522 177.894,50.522 177.491,50.119 175.432,50.119 174.844,50.707 174.844,51.324 174.768,51.4
EEM_IO.LVDS_P10: J9.8 R7.2 | length 14.1
  L4 w0.14: 167.2,47.79 174.173,47.79 174.307,47.924 174.876,47.924 174.948,47.852 175.152,47.852 175.23,47.93 ; J9.8@176.27,48.86 176.16,48.86 175.23,47.93 ; R7.2@179.324,47.701 179.324,47.681 179.045,47.402 177.598,47.402 177.281,47.719 175.312,47.719 175.23,47.801 175.23,47.93
EEM_IO.LVDS_P11: J9.11 R156.2 | length 15.7
  L4 w0.14: 167.2,44.9 174.666,44.9 174.887,44.679 174.887,43.862 174.805,43.78 174.798,43.78 ; J9.11@173.73,43.78 174.798,43.78 ; R156.2@179.426,41.803 179.426,42.024 179.13,42.32 177.056,42.32 177.03,42.346 175.585,42.346 174.88,43.051 174.88,43.698 174.798,43.78